# Altium PCB pcb-ash-power.PcbDoc (part 5 of 6) (continued)
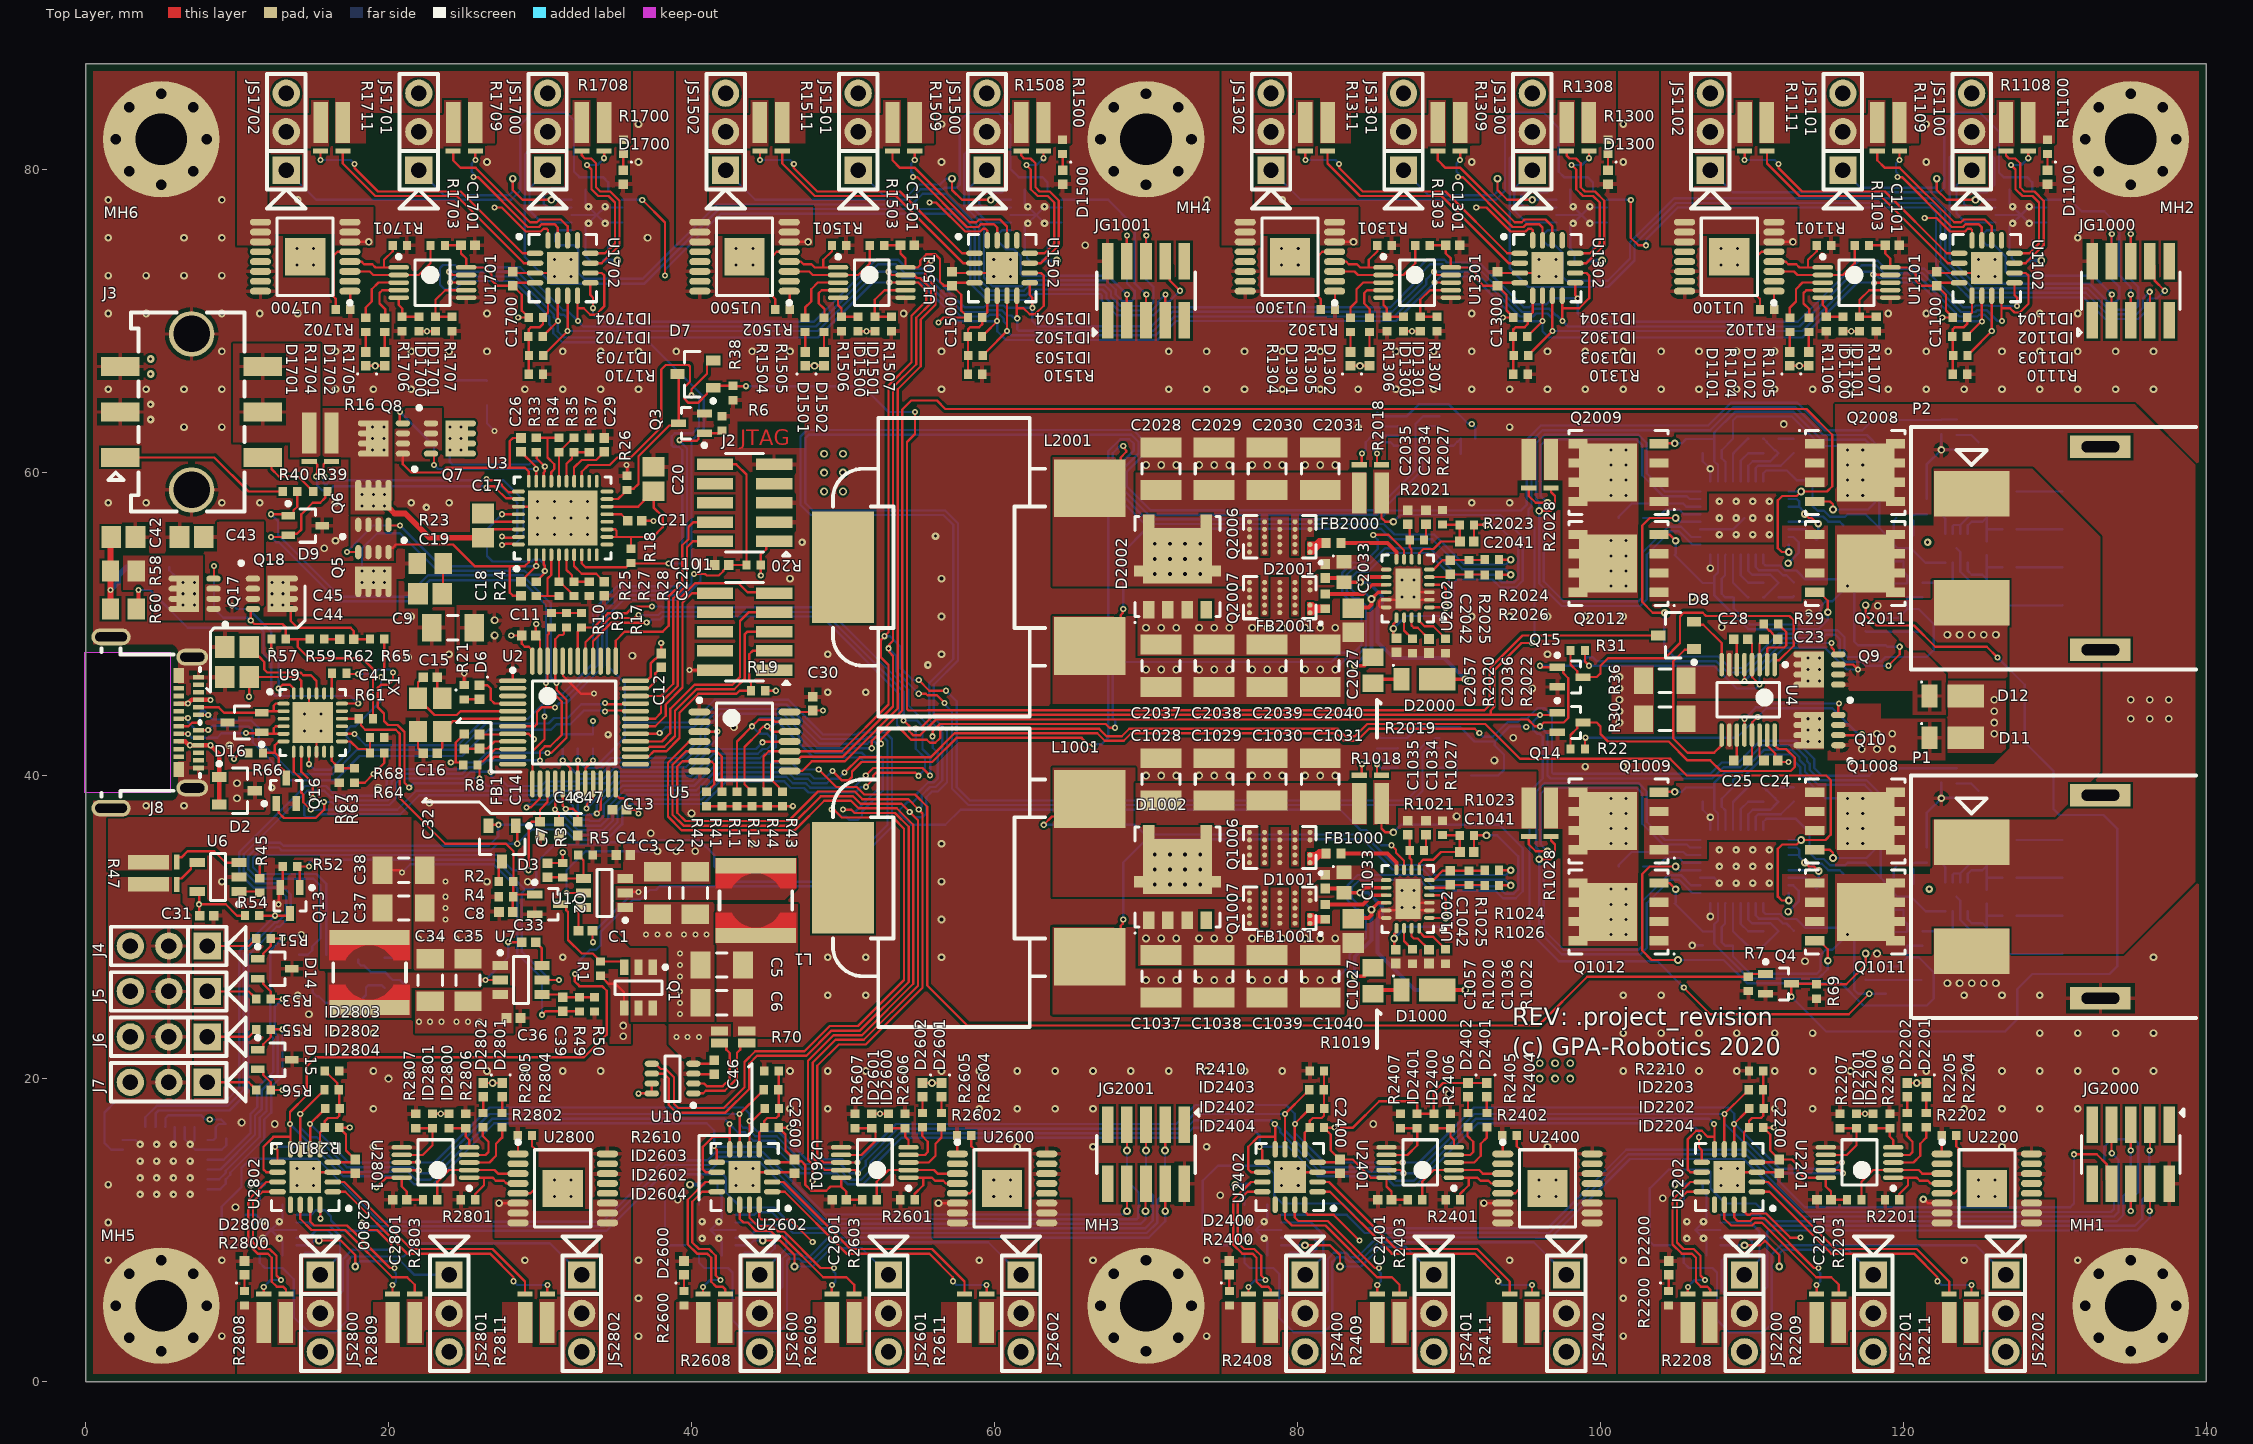
[diagram p0: Top Layer view]
## Nets (pads, with @x,y where several pads share a name; then routed paths per layer and width w, separated by ;. In a path a pad name is that pad's centre, name@x,y a point inside that pad or via, vN(x,y) a via of type N, cw(c..) or ccw(c..) an arc to the next point about the centre after c; other vN are vias at no path point) (continued)
  Bottom Layer w0.152: v5(33.1,80.3) 33.787,80.3 v5(34.235,80.748)
SS1+_LEG42: R2808.3 U2802.12 | length 10
  Top Layer w0.152: R2808.3@11.765,5.774 v5(11.765,6.252) ; U2802.12@12.675,12.525 11.706,12.525 11.055,11.874 11.055,9.181 11.486,8.75 12.152,8.75 12.605,8.298 12.605,6.995 v5(12.9,6.7)
  Bottom Layer w0.152: v5(11.765,6.252) 12.213,6.7 v5(12.9,6.7)
SS1-_LEG11: R1108.4 U1102.11 | length 10.3
  Top Layer w0.152: R1108.4@126.765,81.225 126.765,80.925 126.955,80.735 127.38,80.735 127.7,80.415 127.7,78.829 127.974,78.555 128.64,78.555 129.25,77.945 129.25,75 128.075,73.825 U1102.11@127.325,73.825
SS1-_LEG12: R2208.4 U2202.11 | length 10.3
  Top Layer w0.152: U2202.11@106.675,13.175 105.925,13.175 104.75,12 104.75,9.055 105.36,8.445 106.026,8.445 106.3,8.171 106.3,6.585 106.62,6.265 107.045,6.265 107.235,6.075 R2208.4@107.235,5.775
SS1-_LEG21: R1308.4 U1302.11 | length 10.3
  Top Layer w0.152: R1308.4@97.765,81.225 97.765,80.925 97.955,80.735 98.38,80.735 98.7,80.415 98.7,78.829 98.974,78.555 99.64,78.555 100.25,77.945 100.25,75 99.075,73.825 U1302.11@98.325,73.825
SS1-_LEG22: R2408.4 U2402.11 | length 10.3
  Top Layer w0.152: U2402.11@77.675,13.175 76.925,13.175 75.75,12 75.75,9.055 76.36,8.445 77.026,8.445 77.3,8.171 77.3,6.585 77.62,6.265 78.045,6.265 78.235,6.075 R2408.4@78.235,5.775
SS1-_LEG31: R1508.4 U1502.11 | length 10.3
  Top Layer w0.152: R1508.4@61.765,81.225 61.765,80.925 61.955,80.735 62.38,80.735 62.7,80.415 62.7,78.829 62.974,78.555 63.64,78.555 64.25,77.945 64.25,75 63.075,73.825 U1502.11@62.325,73.825
SS1-_LEG32: R2608.4 U2602.11 | length 10.3
  Top Layer w0.152: U2602.11@41.675,13.175 40.925,13.175 39.75,12 39.75,9.055 40.36,8.445 41.026,8.445 41.3,8.171 41.3,6.585 41.62,6.265 42.045,6.265 42.235,6.075 R2608.4@42.235,5.775
SS1-_LEG41: R1708.4 U1702.11 | length 10.3
  Top Layer w0.152: R1708.4@32.765,81.225 32.765,80.925 32.955,80.735 33.38,80.735 33.7,80.415 33.7,78.829 33.974,78.555 34.64,78.555 35.25,77.945 35.25,75 34.075,73.825 U1702.11@33.325,73.825
SS1-_LEG42: R2808.4 U2802.11 | length 10.3
  Top Layer w0.152: U2802.11@12.675,13.175 11.925,13.175 10.75,12 10.75,9.055 11.36,8.445 12.026,8.445 12.3,8.171 12.3,6.585 12.62,6.265 13.045,6.265 13.235,6.075 R2808.4@13.235,5.775
SS2+_LEG11: R1109.3 U1102.15 | length 9.8
  Top Layer w0.152: v5(119.608,79.5) 119.902,79.5 123.19,76.212 123.926,76.212 124.113,76.4 124.95,76.4 125.175,76.175 U1102.15@125.175,75.325 ; v5(119.735,80.629) R1109.3@119.735,81.226
  Bottom Layer w0.152: v5(119.608,79.5) 119.608,79.75 119.5,79.858 119.5,80.394 v5(119.735,80.629)
SS2+_LEG12: R2209.3 U2202.15 | length 9.8
  Top Layer w0.152: U2202.15@108.825,11.675 108.825,10.825 109.05,10.6 109.887,10.6 110.074,10.788 110.81,10.788 114.098,7.5 v5(114.392,7.5) ; R2209.3@114.265,5.774 v5(114.265,6.371)
  Bottom Layer w0.152: v5(114.265,6.371) 114.5,6.606 114.5,7.142 114.392,7.25 v5(114.392,7.5)
SS2+_LEG21: R1309.3 U1302.15 | length 9.8
  Top Layer w0.152: v5(90.608,79.5) 90.902,79.5 94.19,76.212 94.926,76.212 95.113,76.4 95.95,76.4 96.175,76.175 U1302.15@96.175,75.325 ; v5(90.735,80.629) R1309.3@90.735,81.226
  Bottom Layer w0.152: v5(90.608,79.5) 90.608,79.75 90.5,79.858 90.5,80.394 v5(90.735,80.629)
SS2+_LEG22: R2409.3 U2402.15 | length 9.7
  Top Layer w0.152: U2402.15@79.825,11.675 79.825,10.825 80.05,10.6 81.998,10.6 85.098,7.5 v5(85.392,7.5) ; R2409.3@85.265,5.774 v5(85.265,6.371)
  Bottom Layer w0.152: v5(85.265,6.371) 85.5,6.606 85.5,7.142 85.392,7.25 v5(85.392,7.5)
SS2+_LEG31: R1509.3 U1502.15 | length 9.8
  Top Layer w0.152: v5(54.608,79.5) 54.902,79.5 58.19,76.212 58.926,76.212 59.113,76.4 59.95,76.4 60.175,76.175 U1502.15@60.175,75.325 ; v5(54.735,80.629) R1509.3@54.735,81.226
  Bottom Layer w0.152: v5(54.608,79.5) 54.608,79.75 54.5,79.858 54.5,80.394 v5(54.735,80.629)
SS2+_LEG32: R2609.3 U2602.15 | length 9.7
  Top Layer w0.152: U2602.15@43.825,11.675 43.825,10.814 44.389,10.25 45.369,10.25 45.369,10.235 45.689,9.914 46.098,9.914 48.512,7.5 v5(49.392,7.5) ; R2609.3@49.265,5.774 v5(49.265,6.371)
  Bottom Layer w0.152: v5(49.265,6.371) 49.5,6.606 49.5,7.142 49.392,7.25 v5(49.392,7.5)
SS2+_LEG41: R1709.3 U1702.15 | length 9.8
  Top Layer w0.152: v5(25.608,79.5) 25.902,79.5 29.19,76.212 29.926,76.212 30.113,76.4 30.95,76.4 31.175,76.175 U1702.15@31.175,75.325 ; v5(25.735,80.629) R1709.3@25.735,81.226
  Bottom Layer w0.152: v5(25.608,79.5) 25.608,79.75 25.5,79.858 25.5,80.394 v5(25.735,80.629)
SS2+_LEG42: R2809.3 U2802.15 | length 9.8
  Top Layer w0.152: U2802.15@14.825,11.675 14.825,10.575 15.095,10.305 17.263,10.305 17.569,9.999 17.599,9.999 20.098,7.5 v5(20.392,7.5) ; R2809.3@20.265,5.774 v5(20.265,6.371)
  Bottom Layer w0.152: v5(20.265,6.371) 20.5,6.606 20.5,7.142 20.392,7.25 v5(20.392,7.5)
SS2-_LEG11: R1109.4 U1102.14 | length 11.1
  Top Layer w0.152: R1109.4@118.265,81.225 118.265,80.615 118.77,80.11 119.754,80.11 123.346,76.517 123.8,76.517 123.987,76.705 125.37,76.705 125.825,76.25 U1102.14@125.825,75.325
SS2-_LEG12: R2209.4 U2202.14 | length 11.1
  Top Layer w0.152: U2202.14@108.175,11.675 108.175,10.75 108.63,10.295 110.013,10.295 110.2,10.483 110.654,10.483 114.246,6.89 115.23,6.89 115.735,6.385 R2209.4@115.735,5.775
SS2-_LEG21: R1309.4 U1302.14 | length 11.1
  Top Layer w0.152: R1309.4@89.265,81.225 89.265,80.615 89.77,80.11 90.754,80.11 94.346,76.517 94.8,76.517 94.987,76.705 96.37,76.705 96.825,76.25 U1302.14@96.825,75.325
SS2-_LEG22: R2409.4 U2402.14 | length 10.9
  Top Layer w0.152: U2402.14@79.175,11.675 79.175,10.75 79.63,10.295 81.841,10.295 85.246,6.89 86.23,6.89 86.735,6.385 R2409.4@86.735,5.775
SS2-_LEG31: R1509.4 U1502.14 | length 11.1
  Top Layer w0.152: R1509.4@53.265,81.225 53.265,80.615 53.77,80.11 54.754,80.11 58.346,76.517 58.8,76.517 58.987,76.705 60.37,76.705 60.825,76.25 U1502.14@60.825,75.325
SS2-_LEG32: R2609.4 U2602.14 | length 10.9
  Top Layer w0.152: U2602.14@43.175,11.675 43.175,10.75 43.425,10.5 43.708,10.5 44.263,9.945 45.227,9.945 45.563,9.61 45.971,9.61 48.691,6.89 50.23,6.89 50.735,6.385 R2609.4@50.735,5.775
SS2-_LEG41: R1709.4 U1702.14 | length 11.1
  Top Layer w0.152: R1709.4@24.265,81.225 24.265,80.615 24.77,80.11 25.754,80.11 29.346,76.517 29.8,76.517 29.987,76.705 31.37,76.705 31.825,76.25 U1702.14@31.825,75.325
SS2-_LEG42: R2809.4 U2802.14 | length 10.9
  Top Layer w0.152: U2802.14@14.175,11.675 14.175,10.75 14.925,10 17,10 17.137,10 20.246,6.89 21.23,6.89 21.735,6.385 R2809.4@21.735,5.775
SS3+_LEG11: R1111.3 U1102.2 | length 16.2
  Top Layer w0.152: R1111.3@110.985,81.226 110.985,80.394 113.129,78.25 118.5,78.25 122.925,73.825 U1102.2@123.675,73.825
SS3+_LEG12: R2211.3 U2202.2 | length 16.2
  Top Layer w0.152: U2202.2@110.325,13.175 111.075,13.175 115.5,8.75 120.871,8.75 123.015,6.606 R2211.3@123.015,5.774
SS3+_LEG21: R1311.3 U1302.2 | length 16.2
  Top Layer w0.152: R1311.3@81.985,81.226 81.985,80.394 84.129,78.25 89.5,78.25 93.925,73.825 U1302.2@94.675,73.825
SS3+_LEG22: R2411.3 U2402.2 | length 16.2
  Top Layer w0.152: U2402.2@81.325,13.175 82.075,13.175 86.5,8.75 91.871,8.75 94.015,6.606 R2411.3@94.015,5.774
SS3+_LEG31: R1511.3 U1502.2 | length 16.2
  Top Layer w0.152: R1511.3@45.985,81.226 45.985,80.394 48.129,78.25 53.5,78.25 57.925,73.825 U1502.2@58.675,73.825
SS3+_LEG32: R2611.3 U2602.2 | length 16.2
  Top Layer w0.152: U2602.2@45.325,13.175 46.075,13.175 50.5,8.75 55.871,8.75 58.015,6.606 R2611.3@58.015,5.774
SS3+_LEG41: R1711.3 U1702.2 | length 16.2
  Top Layer w0.152: R1711.3@16.985,81.226 16.985,80.394 19.129,78.25 24.5,78.25 28.925,73.825 U1702.2@29.675,73.825
SS3+_LEG42: R2811.3 U2802.2 | length 16.2
  Top Layer w0.152: U2802.2@16.325,13.175 17.075,13.175 21.5,8.75 26.871,8.75 29.015,6.606 R2811.3@29.015,5.774
SS3-_LEG11: R1111.4 U1102.1 | length 17.5
  Top Layer w0.152: v5(109.515,80.629) R1111.4@109.515,81.225 ; v5(111.75,80.379) 111.75,80.11 113.305,78.555 118.77,78.555 122.85,74.475 U1102.1@123.675,74.475
  Bottom Layer w0.152: v5(109.515,80.629) 111.5,80.629 v5(111.75,80.379)
SS3-_LEG12: R2211.4 U2202.1 | length 17.5
  Top Layer w0.152: U2202.1@110.325,12.525 111.15,12.525 115.23,8.445 120.695,8.445 122.25,6.89 v5(122.25,6.621) ; R2211.4@124.485,5.775 v5(124.485,6.371)
  Bottom Layer w0.152: v5(122.25,6.621) 122.5,6.371 v5(124.485,6.371)
SS3-_LEG21: R1311.4 U1302.1 | length 17.5
  Top Layer w0.152: v5(80.515,80.629) R1311.4@80.515,81.225 ; v5(82.75,80.379) 82.75,80.11 84.305,78.555 89.77,78.555 93.85,74.475 U1302.1@94.675,74.475
  Bottom Layer w0.152: v5(80.515,80.629) 82.5,80.629 v5(82.75,80.379)
SS3-_LEG22: R2411.4 U2402.1 | length 17.5
  Top Layer w0.152: U2402.1@81.325,12.525 82.15,12.525 86.23,8.445 91.695,8.445 93.25,6.89 v5(93.25,6.621) ; R2411.4@95.485,5.775 v5(95.485,6.371)
  Bottom Layer w0.152: v5(93.25,6.621) 93.5,6.371 v5(95.485,6.371)
SS3-_LEG31: R1511.4 U1502.1 | length 17.5
  Top Layer w0.152: v5(44.515,80.629) R1511.4@44.515,81.225 ; v5(46.75,80.379) 46.75,80.11 48.305,78.555 53.77,78.555 57.85,74.475 U1502.1@58.675,74.475
  Bottom Layer w0.152: v5(44.515,80.629) 46.5,80.629 v5(46.75,80.379)
SS3-_LEG32: R2611.4 U2602.1 | length 17.5
  Top Layer w0.152: U2602.1@45.325,12.525 46.15,12.525 50.23,8.445 55.695,8.445 57.25,6.89 v5(57.25,6.621) ; R2611.4@59.485,5.775 v5(59.485,6.371)
  Bottom Layer w0.152: v5(57.25,6.621) 57.5,6.371 v5(59.485,6.371)
SS3-_LEG41: R1711.4 U1702.1 | length 17.5
  Top Layer w0.152: v5(15.515,80.629) R1711.4@15.515,81.225 ; v5(17.75,80.379) 17.75,80.11 19.305,78.555 24.77,78.555 28.85,74.475 U1702.1@29.675,74.475
  Bottom Layer w0.152: v5(15.515,80.629) 17.5,80.629 v5(17.75,80.379)
SS3-_LEG42: R2811.4 U2802.1 | length 17.5
  Top Layer w0.152: U2802.1@16.325,12.525 17.15,12.525 21.23,8.445 26.695,8.445 28.25,6.89 v5(28.25,6.621) ; R2811.4@30.485,5.775 v5(30.485,6.371)
  Bottom Layer w0.152: v5(28.25,6.621) 28.5,6.371 v5(30.485,6.371)
SS_REG_L: C1036.2 U1002.19 | length 2
  Top Layer w0.152: U1002.19@87.53,29.925 87.53,29.4 87.68,29.25 87.94,29.25 C1036.2@88.68,28.51
SS_REG_R: C2036.2 U2002.19 | length 2
  Top Layer w0.152: U2002.19@87.53,50.425 87.53,49.9 87.68,49.75 87.94,49.75 C2036.2@88.68,49.01
SW: C33.2 L2.1 U7.2 | length 5
  Top Layer w0.152: v2(26.4,26.5) U7.2@27.375,26.5 ; v2(27.9,29) C33.2@28.79,29
  Bottom Layer w0.152: v2(26.4,26.5) 27.9,28 v2(27.9,29)
SW_REG_L: C1033.1 D1001.1 D1002.5 D1002.6 D1002.7 L1001.2 Q1006.S Q1007.D R1024.2 U1002.11 | length 36.9
  Top Layer w0.152: v2(63.25,36.75) 63.801,37.301 65.136,37.301 L1001.2@66.29,38.455 ; R1024.2@93.305,33.75 v6(94.08,33.75)
  Bottom Layer w0.152: v2(63.25,36.75) 69.27,36.75 69.916,36.105 84.395,36.105 86.4,34.1 88.4,34.1 89.07,33.43 93.76,33.43 v6(94.08,33.75)
  other v9: 70.58,32.8 71.58,32.8 72.58,32.8 73.58,32.8 70.58,33.8 71.58,33.8 72.58,33.8 73.58,33.8 70.58,34.8 71.58,34.8 72.58,34.8 73.58,34.8
SW_REG_R: C2033.1 D2001.1 D2002.5 D2002.6 D2002.7 L2001.2 Q2006.S Q2007.D R2024.2 U2002.11 | length 36.4
  Top Layer w0.152: L2001.2@66.506,58.955 68.334,60.784 68.334,60.999 68.701,61.366 68.701,61.451 68.5,61.653 v2(68.5,61.75) ; R2024.2@93.305,54.25 v6(94.08,54.25)
  Bottom Layer w0.152: v2(68.5,61.75) 68.281,61.75 67.805,61.274 67.805,58.716 69.916,56.605 85.695,56.605 86.394,55.906 89.026,55.906 91.001,53.93 93.76,53.93 v6(94.08,54.25)
  other v9: 70.58,53.3 71.58,53.3 72.58,53.3 73.58,53.3 70.58,54.3 71.58,54.3 72.58,54.3 73.58,54.3 70.58,55.3 71.58,55.3 72.58,55.3 73.58,55.3
SWCLK: J2.4 U2.37 | length 14.2
  Top Layer w0.152: U2.37@35,47.55 35,48.9 35.6,49.5 38.1,49.5 38.49,49.89 38.49,51.821 39.395,52.726 39.395,55.195 39.8,55.6 39.8,56.4 40.13,56.73 J2.4@41.55,56.73
SWDIO: J2.2 U2.34 | length 14.2
  Top Layer w0.152: U2.34@36.3,45.25 37.988,45.25 38.795,46.057 38.795,51.695 39.7,52.6 39.7,55.069 40.091,55.46 J2.2@41.55,55.46
TG_REG_L: FB1000.1 U1002.10 | length 4.4
  Top Layer w0.25: FB1000.1@82.87,34.85 85.94,34.85 86.53,34.26 U1002.10@86.53,33.775
TG_REG_R: FB2000.1 U2002.10 | length 4.4
  Top Layer w0.25: FB2000.1@82.87,55.35 85.94,55.35 86.53,54.76 U2002.10@86.53,54.275
TX_CAR_RX: J1.10 U2.30 | length 12.6
  Top Layer w0.152: U2.30@36.3,43.25 37.6,43.25 38.295,43.945 38.295,44.695 39.405,45.805 39.405,51.405 40.04,52.04 J1.10@41.55,52.04
USB_C_N: J8.A7 J8.B7 U2.32 | length 35.4
  Top Layer w0.152: J8.B7@6.16,43.75 6.212,43.802 v5(6.75,43.802) ; J8.A7@7.46,43 v5(8.1,43) ; v2(34.3,44.221) 34.376,44.297 35.399,44.297 35.417,44.278 36.272,44.278 U2.32@36.3,44.25
  Bottom Layer w0.152: v5(6.75,43.802) 6.774,43.778 6.774,43.526 7.3,43 v5(8.1,43) 8.397,43.297 8.943,43.297 9.008,43.232 10.779,43.232 11.032,42.979 11.032,42.193 13.544,39.681 16.481,39.681 18.094,41.294 24.868,41.294 26.6,43.025 30.725,43.025 31.094,43.394 31.994,43.394 32.897,44.297 34.084,44.297 34.111,44.269 34.251,44.269 v2(34.3,44.221)
USB_C_P: J8.A6 J8.B6 U2.33 | length 35.8
  Top Layer w0.152: J8.B6@6.16,43.25 6.804,43.25 7.034,43.48 7.525,43.48 v12(7.55,43.506) ; J8.A6@7.46,44 v5(8.1,44) ; v2(34.3,44.779) 34.376,44.703 35.399,44.703 35.417,44.722 36.272,44.722 U2.33@36.3,44.75
  Bottom Layer w0.152: v12(7.55,43.506) 7.55,44.15 7.687,44.287 7.813,44.287 v5(8.1,44) 8.397,43.703 9.112,43.703 9.177,43.638 10.947,43.638 11.438,43.147 11.438,42.362 13.713,40.087 16.313,40.087 17.925,41.7 24.7,41.7 26.431,43.431 30.557,43.431 30.925,43.8 31.825,43.8 32.728,44.703 34.084,44.703 34.111,44.731 34.251,44.731 v2(34.3,44.779)
VAUX_3V3: C7.2 C9.1 C11.2 C12.2 C13.2 C30.1 C31.2 C40.1 C46.1 C1026.2 C1100.2 C1101.2 C1300.2 C1301.2 C1500.2 C1501.2 C1700.2 C1701.2 C2026.2 C2200.2 C2201.2 C2400.2 C2401.2 C2600.2 C2601.2 C2800.2 C2801.2 D1101.1 D1102.1 D1301.1 D1302.1 D1501.1 D1502.1 D1701.1 D1702.1 D2201.1 D2202.1 D2401.1 D2402.1 D2601.1 D2602.1 D2801.1 D2802.1 FB1.1 ID1100.2 ID1101.2 ID1104.2 ID1300.2 ID1301.2 ID1304.2 ID1500.2 ID1501.2 ID1504.2 ID1700.2 ID1701.2 ID1704.2 ID2200.2 ID2201.2 ID2204.2 ID2400.2 ID2401.2 ID2404.2 ID2600.2 ID2601.2 ID2604.2 ID2800.2 ID2801.2 ID2804.2 J2.1 R3.2 R8.2 R9.2 R10.2 R11.2 R12.2 R13.2 R14.2 R15.2 R17.2 R19.2 R20.1 R41.2 R42.2 R43.2 R44.2 R54.2 R70.1 R1000.2 R1103.1 R1303.1 R1503.1 R1703.1 R2000.2 R2203.1 R2403.1 R2603.1 R2803.1 U2.1 U2.24 U2.36 U2.48 U5.14 U6.5 U8.1 U8.25 U10.4 U10.7 U10.8 U1000.4 U1101.10 U1102.4 U1102.16 U1301.10 U1302.4 U1302.16 U1501.10 U1502.4 U1502.16 U1701.10 U1702.4 U1702.16 U2000.4 U2201.10 U2202.4 U2202.16 U2401.10 U2402.4 U2402.16 U2601.10 U2602.4 U2602.16 U2801.10 U2802.4 U2802.16 | length 226.9
  Top Layer w0.152: U6.5@7.375,32.35 7.5,32.225 v12(7.5,31.5) ; C31.2@7.54,30.75 7.5,30.79 v12(7.5,31.5) ; R54.2@10.525,30.75 10,30.75 9.25,31.5 v12(7.5,31.5) ; U2802.16@15.475,11.675 15.5,11.65 v2(15.5,10.75) ; U2802.4@16.325,14.475 17.615,14.475 C2800.2@17.8,14.66 17.2,15.26 17.2,16.31 ID2804.2@16.75,16.76 v2(17.44,16.76) ; D1701.1@18.5,67.04 D1702.1@19.75,67.04 ; v2(19.2,12.8) 19.86,13.46 U2801.10@20.875,13.46 20.875,12.875 21.21,12.54 C2801.2@21.21,12 R2803.1@22.275,12 ; ID1700.2@22,69.325 ID1701.2@23.1,69.325 ; ID2801.2@22.9,17.675 ID2800.2@24,17.675 ; R1703.1@23.725,75 C1701.2@24.79,75 24.79,74.46 25.125,74.125 U1701.10@25.125,73.54 26.36,73.54 26.8,73.1 26.8,72.7 27.16,72.34 C1700.2@28.2,72.34 ; v2(24.113,40.859) 24.44,40.859 ; R8.2@24.925,40.7 24.766,40.859 24.44,40.859 ; FB1.1@25,42.74 24.97,42.74 24.756,42.526 24.756,42.496 24.44,42.18 24.44,40.859 ; D2802.1@26.25,19.71 D2801.1@27.5,19.71 ; v2(27,77.5) 27.471,77.5 29.063,75.908 30.052,75.908 30.24,76.095 30.436,76.095 30.525,76.006 U1702.16@30.525,75.325 ; v2(28.1,49.25) C11.2@28.79,49.25 28.79,48.71 29,48.5 29.25,48.5 29.5,48.25 U2.48@29.5,47.55 ; U2.1@28.2,46.25 v2(28.2,46.94) ; v2(28.56,70.24) ID1704.2@29.25,70.24 28.8,70.69 28.8,71.74 C1700.2@28.2,72.34 ; U1702.4@29.675,72.525 28.385,72.525 C1700.2@28.2,72.34 ; C7.2@30.5,34.21 30.515,34.225 R3.2@31.5,34.225 v2(31.5,34.915) ; R10.2@30.75,50.725 R9.2@31.75,50.725 R17.2@32.75,50.725 ; U2.24@35,39.45 35,38.75 35.25,38.5 35.5,38.5 35.71,38.29 C13.2@35.71,37.75 36.25,37.75 v2(36.5,37.5) ; U2.36@36.3,46.25 37.05,46.25 37.3,46.5 37.3,47.403 37.585,47.689 37.629,47.689 C12.2@38,48.06 v2(38,48.75) ; v2(36.5,19) 36.525,19.025 U10.8@37.375,19.025 U10.7@37.375,19.675 ; U10.4@40.125,20.975 41.265,20.975 C46.1@41.5,21.21 ; R42.2@41,37.975 R41.2@42,37.975 R11.2@43,37.975 R12.2@44,37.975 R44.2@45,37.975 46.683,37.975 v2(46.687,37.978) ; U2602.16@44.475,11.675 44.475,10.825 44.6,10.7 46.5,10.7 v2(48,9.2) ; v2(44.575,53.21) R20.1@44.575,53.9 44.575,54.585 44.931,54.941 44.931,55.156 45.234,55.46 J2.1@45.45,55.46 ; R19.2@44.875,45.6 v2(45.565,45.6) ; U2602.4@45.325,14.475 46.615,14.475 C2600.2@46.8,14.66 ; v2(46.44,16.76) ID2604.2@45.75,16.76 46.2,16.31 46.2,15.26 C2600.2@46.8,14.66 ; U5.14@46.475,44.2 47.91,44.2 C30.1@48,44.29 v2(48.69,44.29) ; D1501.1@47.5,67.04 D1502.1@48.75,67.04 ; U2601.10@49.875,13.46 49.875,12.875 ; ID1500.2@51,69.325 ID1501.2@52.1,69.325 ; R2603.1@51.275,12 C2601.2@50.21,12 50.21,12.54 49.875,12.875 ; ID2601.2@51.9,17.675 v12(52.45,17.675) ID2600.2@53,17.675 ; R1503.1@52.725,75 C1501.2@53.79,75 53.79,74.46 54.125,74.125 U1501.10@54.125,73.54 54.94,73.54 55.1,73.7 55.1,74 55.5,74.4 56.1,74.4 56.4,74.1 56.4,72.6 56.66,72.34 C1500.2@57.2,72.34 ; D2602.1@55.25,19.71 D2601.1@56.5,19.71 ; v2(55.709,77.826) 56.145,77.826 58.063,75.908 59.052,75.908 59.24,76.095 59.405,76.095 59.525,75.975 U1502.16@59.525,75.325 ; v2(56.3,69.9) 56.64,70.24 ID1504.2@58.25,70.24 57.8,70.69 57.8,71.74 C1500.2@57.2,72.34 ; U1502.4@58.675,72.525 57.385,72.525 C1500.2@57.2,72.34 ; U2402.16@80.475,11.675 80.475,11.247 80.57,11.151 80.57,11.13 80.7,11 82.4,11 v2(84.1,9.3) ; U2402.4@81.325,14.475 82.615,14.475 C2400.2@82.8,14.66 ; D1301.1@83.5,67.04 D1302.1@84.75,67.04 ; ID1300.2@87,69.325 ID1301.2@88.1,69.325 ; R2403.1@87.275,12 C2401.2@86.21,12 86.21,12.54 85.875,12.875 U2401.10@85.875,13.46 84.84,13.46 83.64,14.66 C2400.2@82.8,14.66 ; R1303.1@88.725,75 C1301.2@89.79,75 89.79,74.46 90.125,74.125 U1301.10@90.125,73.54 91.36,73.54 91.8,73.1 91.8,72.8 92.26,72.34 C1300.2@93.2,72.34 ; v2(91.8,77.5) 92.471,77.5 94.063,75.908 95.052,75.908 95.24,76.095 95.436,76.095 95.525,76.006 U1302.16@95.525,75.325 ; D2401.1@92.5,19.71 D2402.1@91.25,19.71 89.61,19.71 89,19.1 ID2400.2@89,17.675 ID2401.2@87.9,17.675 87.9,18.3 87.7,18.5 85.4,18.5 83.66,16.76 v2(82.44,16.76) ID2404.2@81.75,16.76 82.2,16.31 82.2,15.26 C2400.2@82.8,14.66 ; v2(93.56,70.24) ID1304.2@94.25,70.24 93.8,70.69 93.8,71.74 C1300.2@93.2,72.34 ; U1302.4@94.675,72.525 93.385,72.525 C1300.2@93.2,72.34 ; U2202.16@109.475,11.675 109.475,11.247 109.57,11.151 109.57,11.13 109.7,11 109.855,11 109.948,11.092 110.937,11.092 112.529,9.5 v2(113.2,9.5) ; U2202.4@110.325,14.475 111.615,14.475 C2200.2@111.8,14.66 ; v2(111.44,16.76) ID2204.2@110.75,16.76 111.2,16.31 111.2,15.26 C2200.2@111.8,14.66 ; D1101.1@112.5,67.04 D1102.1@113.75,67.04 ; ID1100.2@116,69.325 ID1101.2@117.1,69.325 ; R2203.1@116.275,12 C2201.2@115.21,12 115.21,12.54 114.875,12.875 U2201.10@114.875,13.46 113.44,13.46 113,13.9 113,14.3 112.64,14.66 C2200.2@111.8,14.66 ; ID2201.2@116.9,17.675 ID2200.2@118,17.675 ; R1103.1@117.725,75 C1101.2@118.79,75 118.79,74.46 119.125,74.125 U1101.10@119.125,73.54 120.36,73.54 120.8,73.1 120.8,72.7 121.16,72.34 C1100.2@122.2,72.34 ; D2202.1@120.25,19.71 D2201.1@121.5,19.71 ; v2(121.4,76.8) 122.171,76.8 123.063,75.908 124.052,75.908 124.24,76.095 124.436,76.095 124.525,76.006 U1102.16@124.525,75.325 ; v2(122.56,70.24) ID1104.2@123.25,70.24 122.8,70.69 122.8,71.74 C1100.2@122.2,72.34 ; U1102.4@123.675,72.525 122.385,72.525 C1100.2@122.2,72.34 ; C2600.2@46.8,14.66 46.919,14.541 47.259,14.541 47.5,14.3 47.5,13 47.9,12.6 48.9,12.6 49.175,12.875 49.875,12.875
  Bottom Layer w0.152: U8.25@5.25,16.8 5.278,16.828 5.278,17.378 5.486,17.586 7.614,17.586 7.897,17.303 8.197,17.303 v2(8.2,17.3) 8.96,17.3 9.26,17 8.8,17 8.6,16.8 8.6,16.1 8.45,15.95 U8.1@8.05,15.95 ; R13.2@31.5,42.725 R14.2@32.5,42.725 R15.2@33.5,42.725 v2(33.5,43.6) ; C1026.2@85.25,42.71 85.485,42.475 U1000.4@86.625,42.475 87.225,42.475 87.95,43.2 90.74,43.2 91.69,42.25 93.018,42.25 ; C2026.2@85.25,63.96 85.485,63.725 U2000.4@86.625,63.725 87.225,63.725 88,64.5 90,64.5 91.242,63.258 91.452,63.258 v2(91.5,63.21) 91.725,62.985 R2000.2@91.725,62.25 ; R1000.2@91.475,40 93.25,40 93.625,40.375 93.625,41.375 93.018,41.982 93.018,42.25 ; v2(95.1,43.2) 95.068,43.232 94,43.232 93.018,42.25
  other v4: 27,49.25 27,50.25
  other v6: 26.875,19.71 55.875,19.71 120.875,19.71 19.125,67.04 48.125,67.04 84.125,67.04 113.125,67.04
  other v8: 39,22.75 39.75,22.75 40.5,22.75
  other v12: 23.45,17.675 117.45,17.675 22.55,69.325 51.55,69.325 87.55,69.325 116.55,69.325
VBAT1_7V4: C25.1 D11.A P1.1 Q9.1 Q9.2 Q9.3 Q1011.5 Q1011.6 Q1011.7 Q1011.8 Q1011.9 Q2008.5 Q2008.6 Q2008.7 Q2008.8 Q2008.9 R22.2 R71.1 R1045.2 R2029.2 R2030.2 R2031.2 U4.13 U1004.26 U2004.3 | length 57.9
  Top Layer w0.152: R22.2@98.975,41.75 98.975,42.475 v2(99,42.5) ; C25.1@109.71,41 110,41.29 U4.13@110,42.675 110.015,42.69 110.015,43.515 v2(110.375,43.875) ; Q9.2@115.7,42.667 117.098,42.667 117.181,42.75 v2(117.25,42.75)
  Bottom Layer w0.152: v2(99,42.5) 109,42.5 v2(110.375,43.875) 110.945,44.445 115.305,44.445 116.972,42.778 117.222,42.778 v2(117.25,42.75) ; U1004.26@108.25,31.575 108.221,31.546 108.221,30.221 108,30 108,29 108.225,28.775 R1045.2@108.75,28.775 108.75,28.079 109.92,26.91 114.269,26.91 114.527,27.168 114.527,28.152 114.875,28.5 115.31,28.5 v3(116.31,29.5) ; U2004.3@108.25,59.425 108.25,60.69 108,60.94 108,61.475 R2031.2@108.75,62.225 108.75,63.45 109,63.7 112.619,63.7 114.569,61.75 116.047,61.75 116.297,61.5 v3(116.31,61.5) ; R2029.2@121.525,58.25 121.525,60.525 v10(122.5,61.5) ; R71.1@122.5,62.525 v10(122.5,61.5) ; R2030.2@123.5,61.525 122.525,61.525 v10(122.5,61.5)
  other v3: 116.31,58.5 117.31,58.5 116.31,59.5 117.31,59.5 116.31,60.5 117.31,60.5 117.31,61.5
  other v4: 117.25,41.75 118.25,41.75 119.25,41.75 118.25,42.75 119.25,42.75 135,43.75 136.25,43.75 137.5,43.75 135,45 136.25,45 137.5,45
VBAT2_7V4: C28.1 D12.A P2.1 Q10.1 Q10.2 Q10.3 Q1008.5 Q1008.6 Q1008.7 Q1008.8 Q1008.9 Q2011.5 Q2011.6 Q2011.7 Q2011.8 Q2011.9 R31.2 R73.1 R1029.2 R1030.2 R1031.2 R2045.2 U4.4 U1004.3 U2004.26 | length 59.4
  Top Layer w0.152: R31.2@98.975,48.25 98.975,47.525 v2(99.25,47.25) ; C28.1@109.71,49 110,48.71 U4.4@110,47.325 110.015,47.31 110.015,46.485 v2(110.5,46) ; Q10.3@115.7,47.333 116.667,47.333 v2(117,47)
  Bottom Layer w0.152: v2(99.25,47.25) 107.5,47.25 109,45.75 110.25,45.75 v2(110.5,46) 110.5,46.819 112.126,48.445 114.805,48.445 116.25,47 v2(117,47) ; U1004.3@108.25,36.425 108.25,37.69 108,37.94 108,38.475 R1031.2@108.75,39.225 108.75,39.7 108.995,39.945 109.476,39.945 110.921,41.39 112.52,41.39 112.832,41.079 112.832,40.896 113.195,40.532 113.195,40.124 114.819,38.5 v3(116.31,38.5) ; U2004.26@108.25,54.575 108.221,54.546 108.221,53.221 108,53 108,52 108.225,51.775 R2045.2@108.75,51.775 108.798,51.727 108.798,51.048 109.877,49.969 114.276,49.969 114.527,50.221 114.527,51.152 114.875,51.5 115.31,51.5 v3(116.31,52.5) ; R1029.2@121.525,35.25 121.525,37.525 v10(122.5,38.5) ; R73.1@122.5,39.525 v10(122.5,38.5) ; R1030.2@123.5,38.525 122.525,38.525 v10(122.5,38.5)
  other v3: 116.31,35.5 117.31,35.5 116.31,36.5 117.31,36.5 116.31,37.5 117.31,37.5 117.31,38.5
VBAT_DOR_7V4: D11.C D12.C Q1.4 Q11.4 R1.2 R46.2 | length 4.7
  Top Layer w0.152: R1.2@34,26.775 34.025,26.775 34.224,26.576 34.224,26.551 34.525,26.25 35,26.25 35.55,25.7 Q1.4@35.55,24.65
  Bottom Layer w0.152: R46.2@19.75,27.975 21.175,27.975 Q11.4@21.3,27.85
  other v4: 96,20 97,20 98,20 96,21 97,21 98,21 35.5,22.8 35.5,23.5 126,42.75 126,43.5 126,44.25 126,45
VBOOST_REG_L: C1033.2 D1000.C D1001.2 U1002.12 | length 17.9
  Top Layer w0.25: D1001.2@81.83,32.54 82.802,32.54 C1033.2@83.08,32.263 v6(84.132,32.263) 84.47,32.6 U1002.12@85.855,32.6 ; D1000.C@89.23,25.85 v6(91.08,25.85)
  Bottom Layer w0.25: v6(84.132,32.263) 84.667,32.263 85.58,31.35 85.58,30.8 85.282,30.502 85.282,28.323 87.755,25.85 v6(91.08,25.85)
VBOOST_REG_R: C2033.2 D2000.C D2001.2 U2002.12 | length 17.9
  Top Layer w0.25: D2001.2@81.83,53.04 82.802,53.04 C2033.2@83.08,52.762 v6(84.132,52.762) 84.47,53.1 U2002.12@85.855,53.1 ; D2000.C@89.23,46.35 v6(91.08,46.35)
  Bottom Layer w0.25: v6(84.132,52.762) 84.667,52.762 85.6,51.83 85.6,51.37 85.282,51.052 85.282,48.823 86.355,47.75 89.68,47.75 v6(91.08,46.35)
VBUS: D2.A1 D2.A2 D17.A J8.A4 J8.A9 J8.B4 J8.B9 Q17.5 Q17.6 Q17.7 Q17.8 Q17.9 R58.2 | length 10
  Top Layer w0.3: J8.B4@6.16,42.25 6.588,42.25 6.788,42.05 6.823,42.05 6.873,42 v5(6.9,42) J8.A9@7.46,42 v5(8.25,42) 8.825,41.425 D2.A1@8.825,39.9 D2.A2@8.825,38.1 ; J8.B9@6.16,44.75 v5(6.75,44.75) 7,45 J8.A4@7.46,45 v5(8.25,45)
  Bottom Layer w0.152: D17.A@5.525,53.75 5.525,53.552 5.974,53.103 6.172,53.103 6.403,52.872 6.403,52.797 v5(6.45,52.75)
  other v5: 6.45,51.25 7.2,51.25 6.45,52 7.2,52 7.2,52.75
VBUS_DISCH: R60.1 U9.18 | length 22
  Top Layer w0.152: U9.18@16.925,44.75 v2(18,44.75)
  Top Layer w0.25: R60.1@3.35,51 3.5,51.15 v2(3.5,52.25)
  Bottom Layer w0.152: v2(3.5,52.25) 4.25,52.25 6.75,49.75 11.5,49.75 11.75,49.5 11.75,48 12.25,47.5 12.25,45.5 12.5,45.25 17.5,45.25 v2(18,44.75)
VC0_HS_L: C1050.1 J1000.4 R1042.1 U1003.6 U1003.9 | length 9.8
  Bottom Layer w0.152: U1003.9@123.5,32 123.75,31.75 U1003.6@123.75,31.05 123.75,30.46 124.799,29.411 125.129,29.411 C1050.1@125.5,29.04 R1042.1@125.5,28.225 130.475,28.225 J1000.4@130.5,28.25
VC0_HS_R: C2050.1 J2000.4 R2042.1 U2003.6 U2003.9 | length 9.8
  Bottom Layer w0.152: U2003.9@123.5,55 123.75,54.75 U2003.6@123.75,54.05 123.75,53.46 124.799,52.411 125.129,52.411 C2050.1@125.5,52.04 R2042.1@125.5,51.225 130.475,51.225 J2000.4@130.5,51.25
VC1_HS_L: C1048.1 C1050.2 R1038.2 U1003.5 | length 4.6
  Bottom Layer w0.152: U1003.5@124.25,31.05 124.25,30.5 124.5,30.25 125.21,30.25 C1050.2@125.5,29.96 125.5,30.75 ; C1048.1@125.5,31.54 125.5,30.75 ; R1038.2@126.525,30.75 125.5,30.75
VC1_HS_R: C2048.1 C2050.2 R2038.2 U2003.5 | length 4.6
  Bottom Layer w0.152: U2003.5@124.25,54.05 124.25,53.5 124.5,53.25 125.21,53.25 C2050.2@125.5,52.96 125.5,53.75 ; C2048.1@125.5,54.54 125.5,53.75 ; R2038.2@126.525,53.75 125.5,53.75